# Altium PCB edison_gateway_v3.PcbDoc (part 1 of 3)
Units mil, origin at the board's own origin, x right, y up, seen from the top; angles counter-clockwise.
Board outline 3917.32 x 3149.61 mil, 6 copper layers (Top Layer, GND, Signal Layer 1, VCC, GND (Mid4), Bottom Layer), stack 48.468 mil thick; 252 components, 213 nets, 1042 pads, 505 vias.
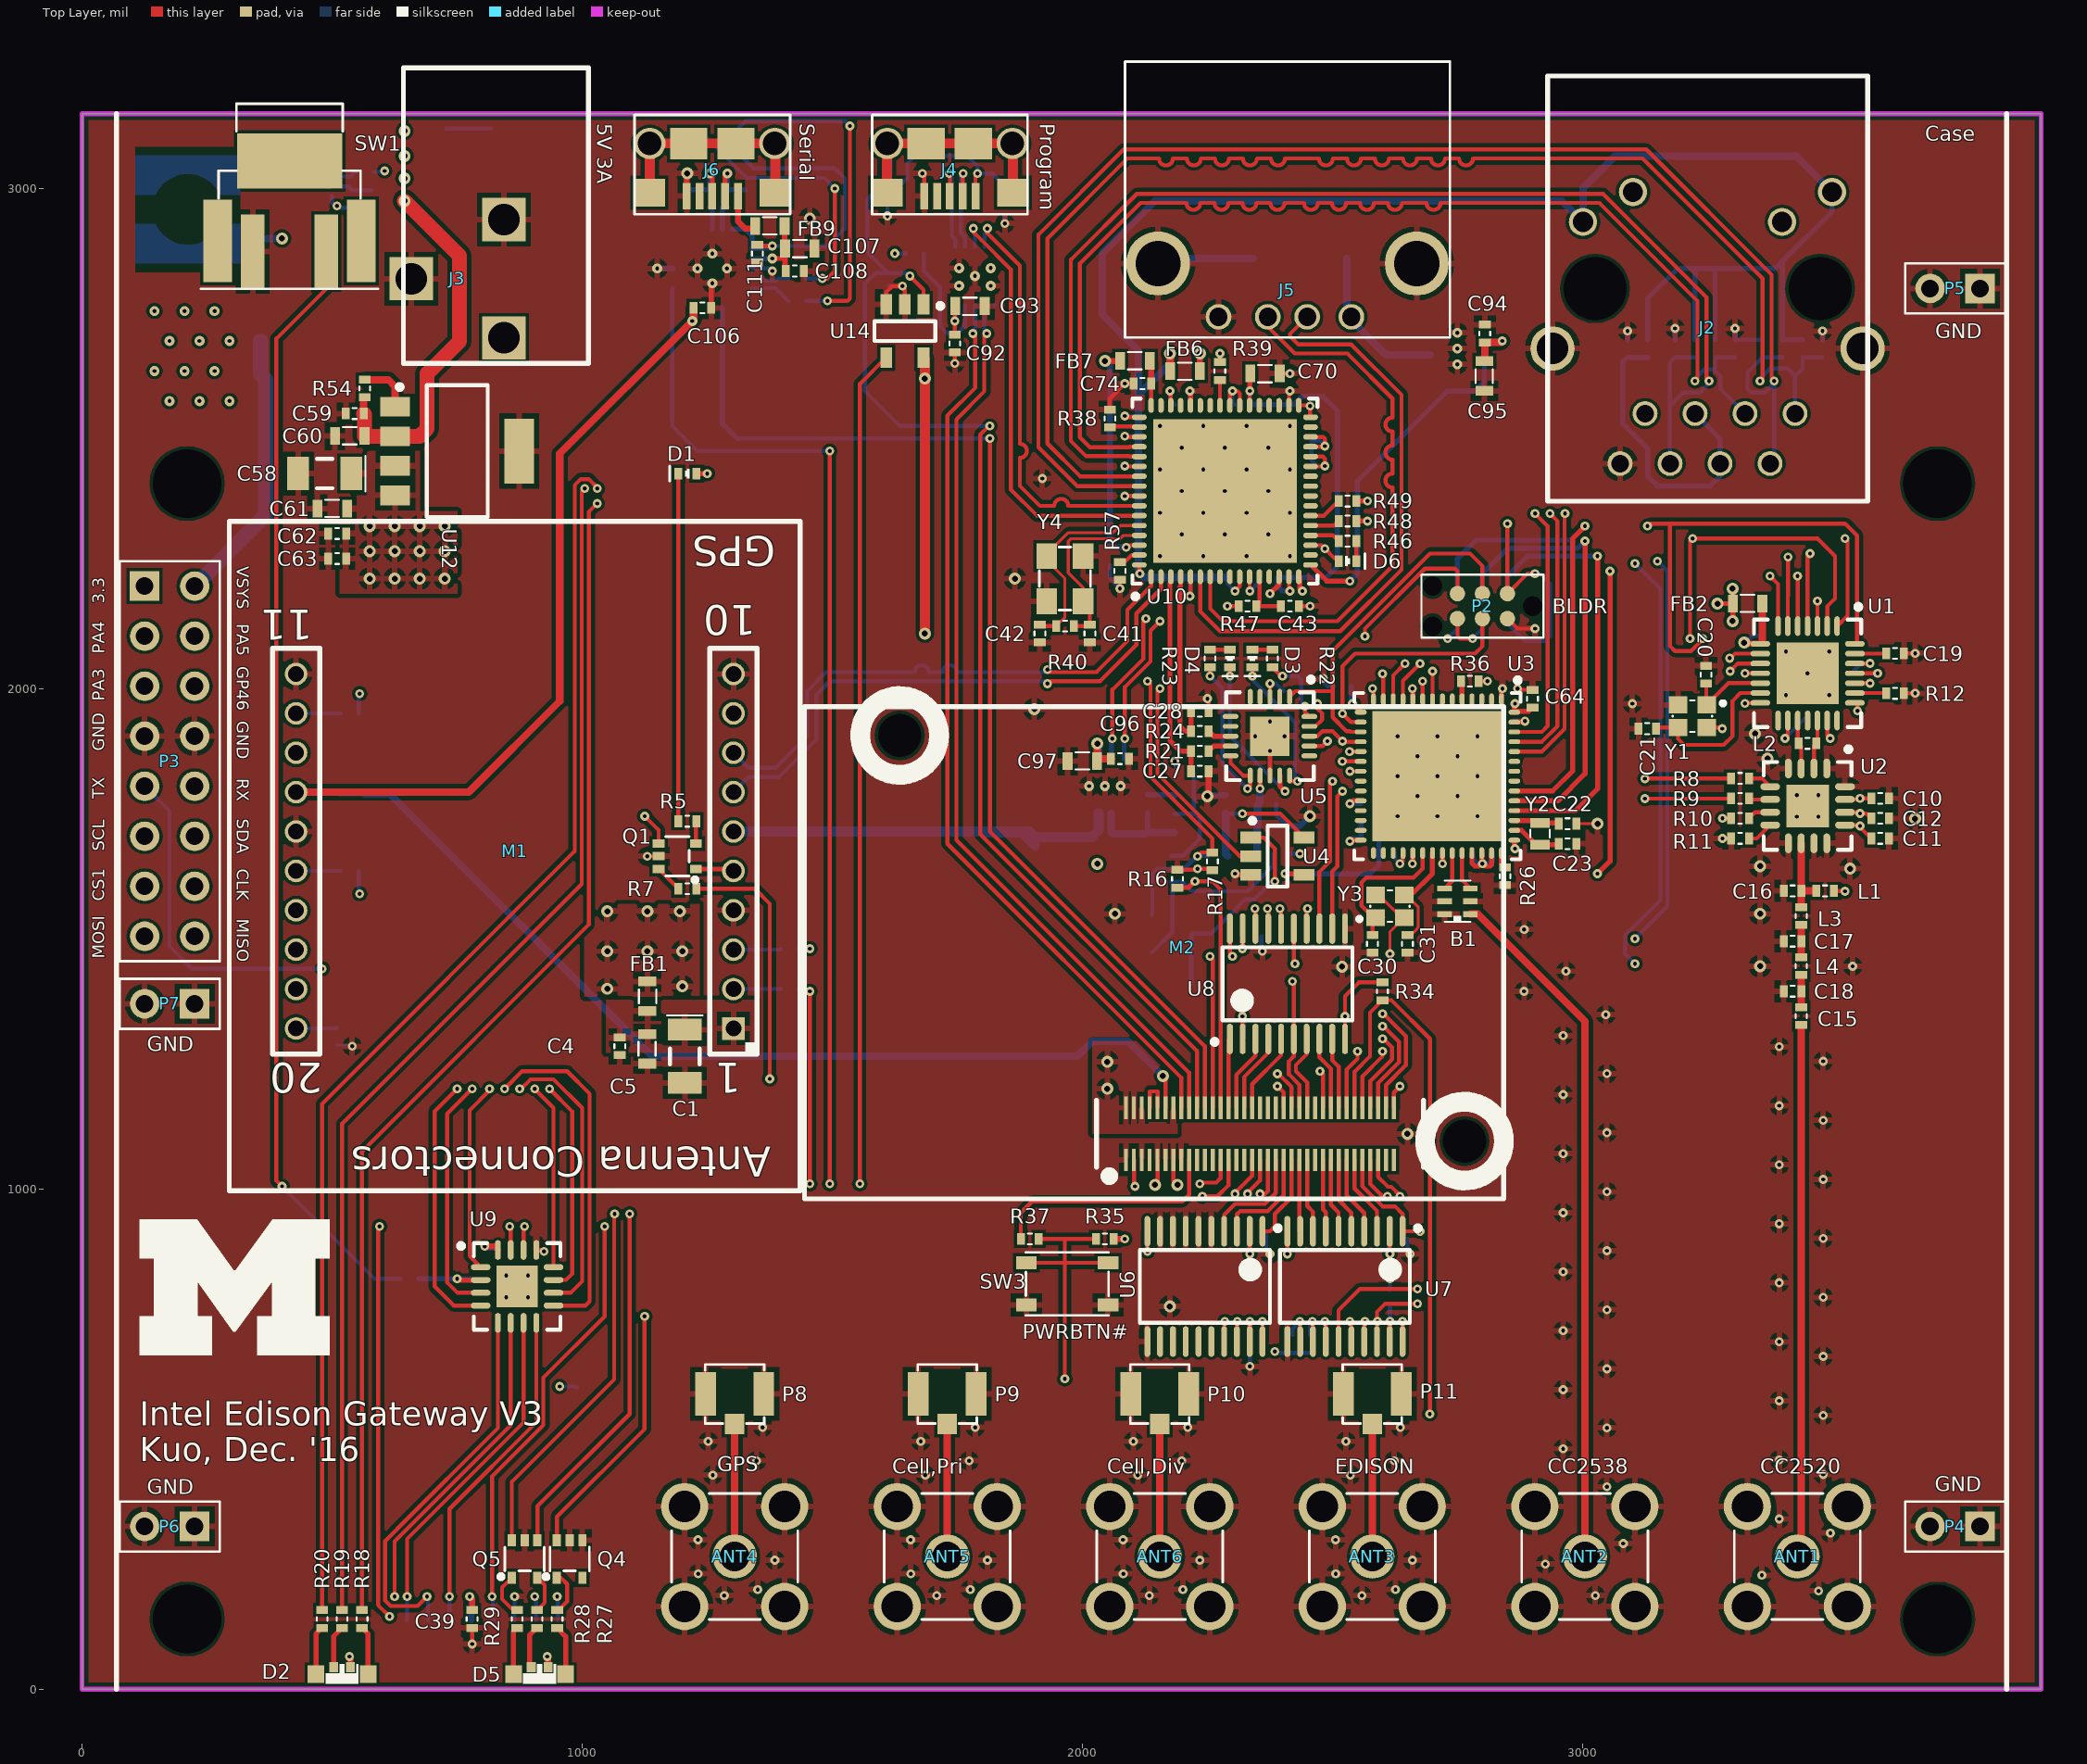
[diagram p0: Top Layer view]
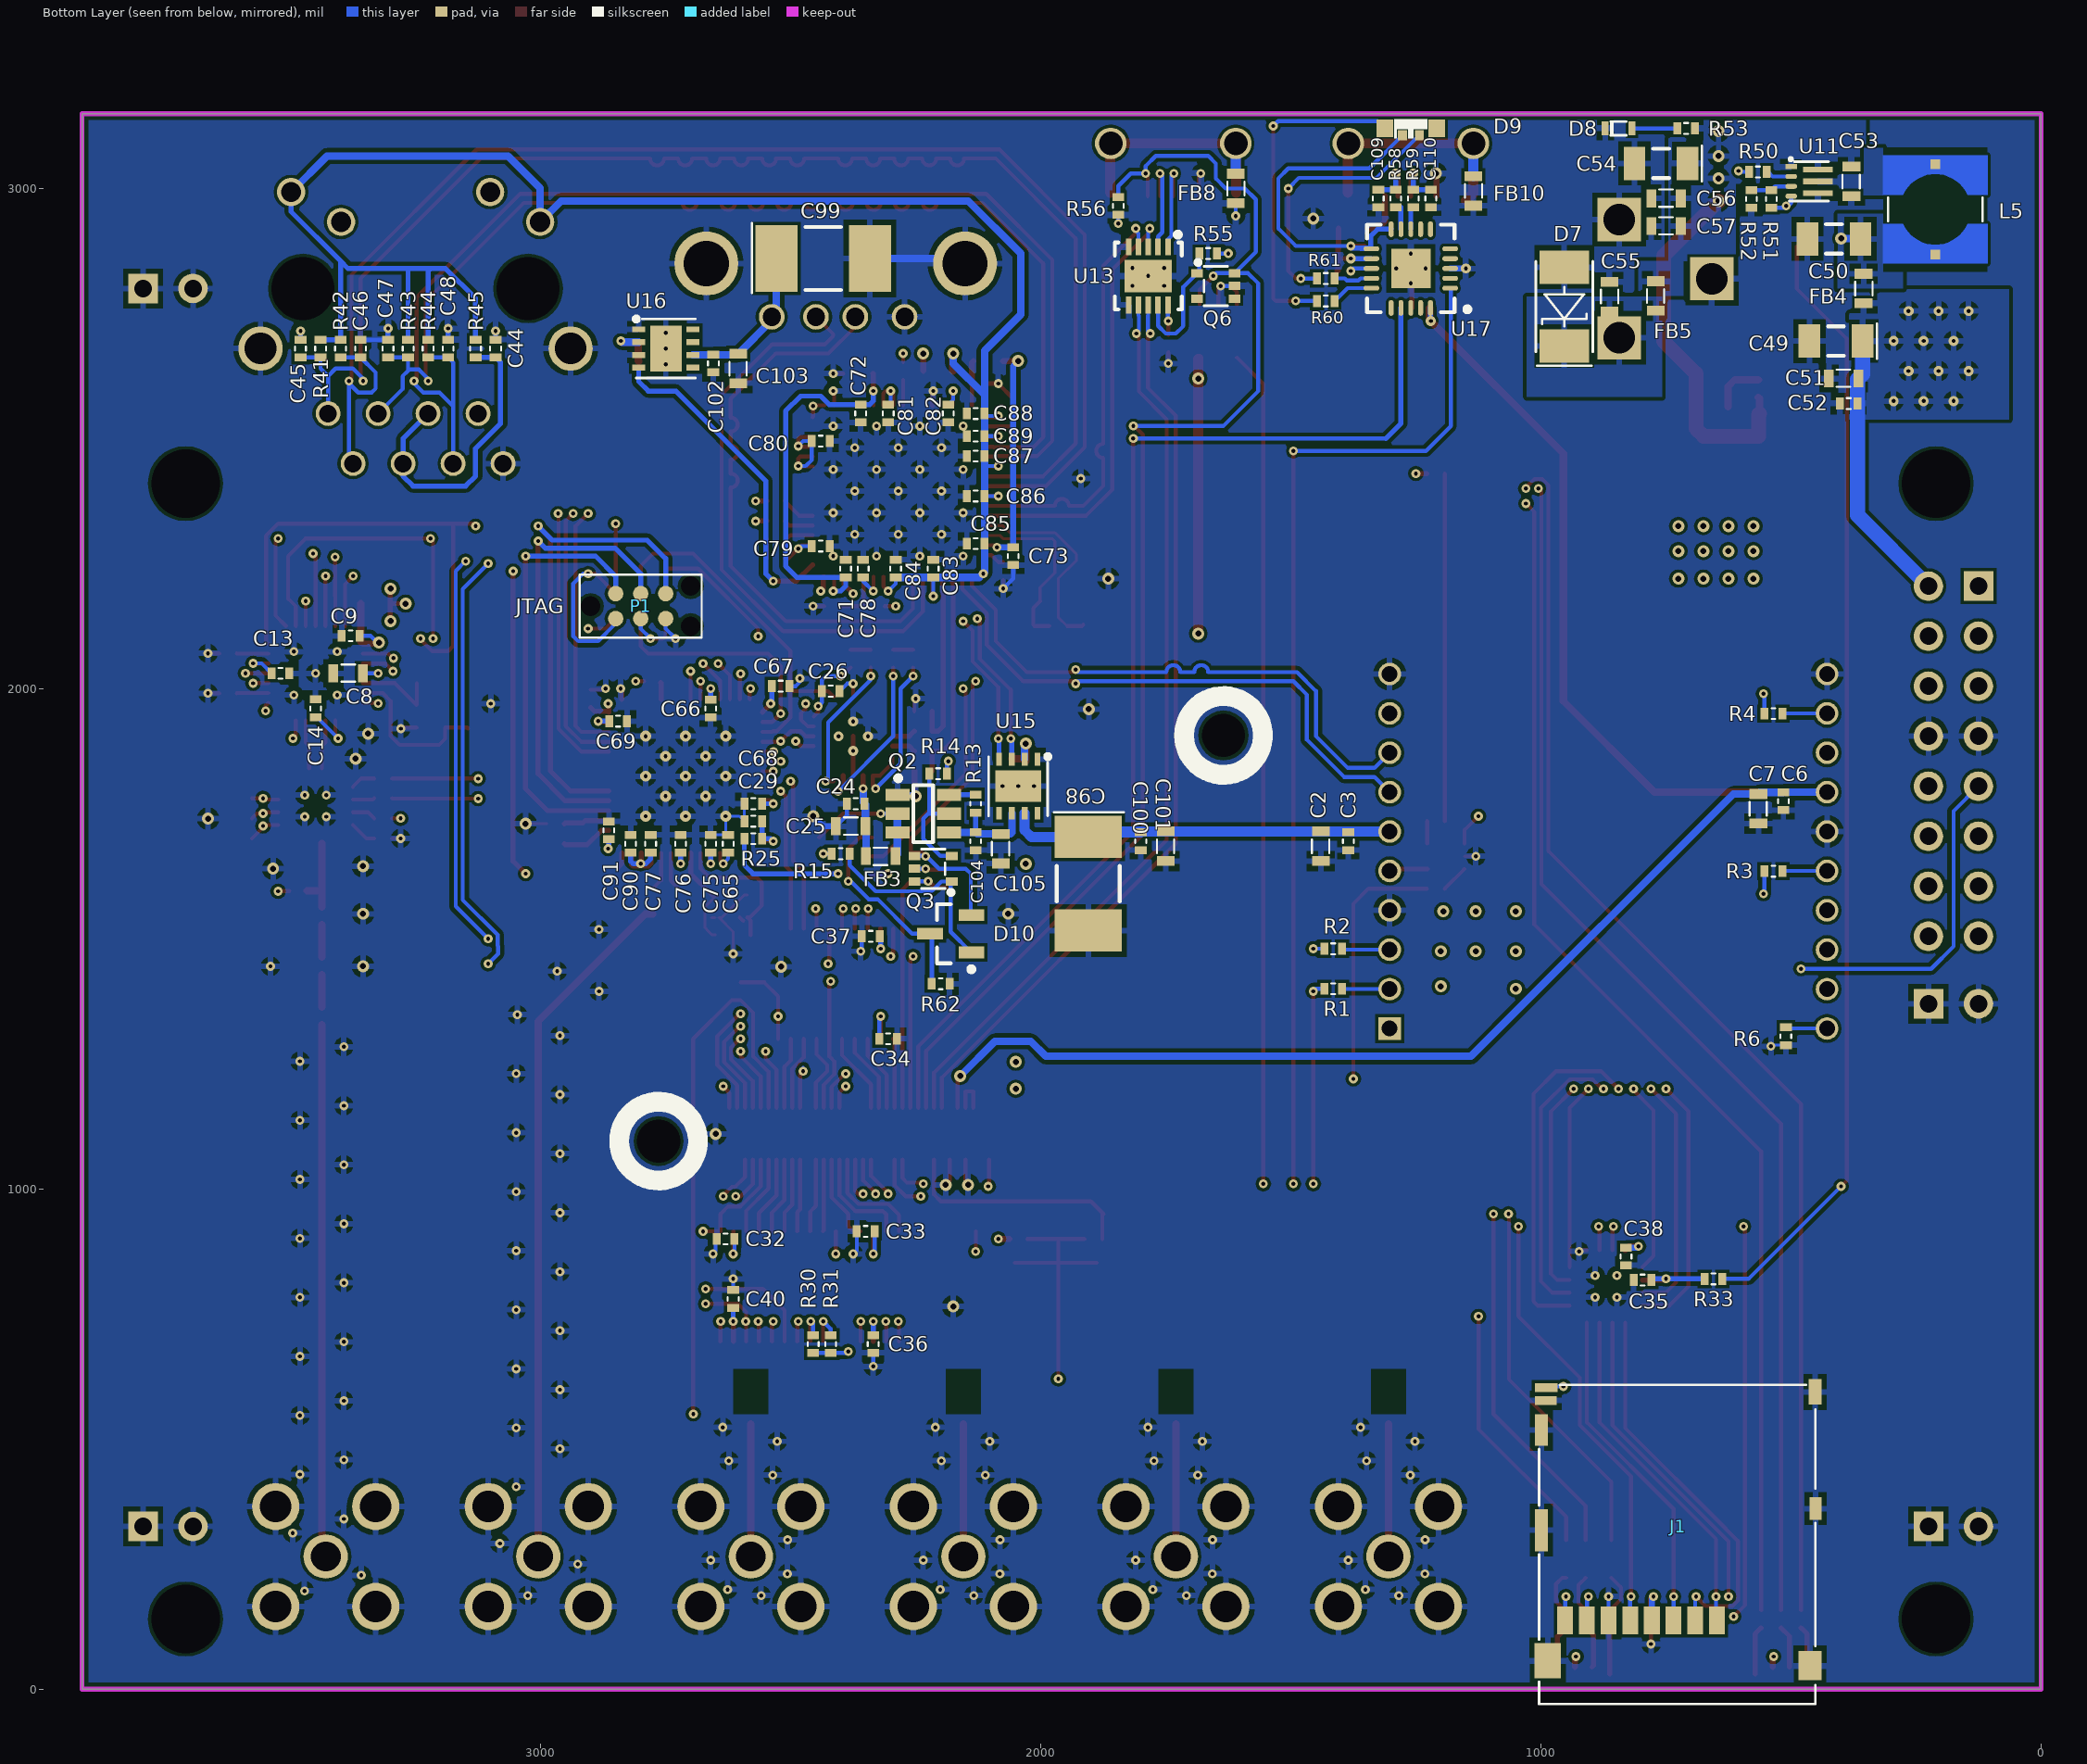
[diagram p1: Bottom Layer view, seen from below]
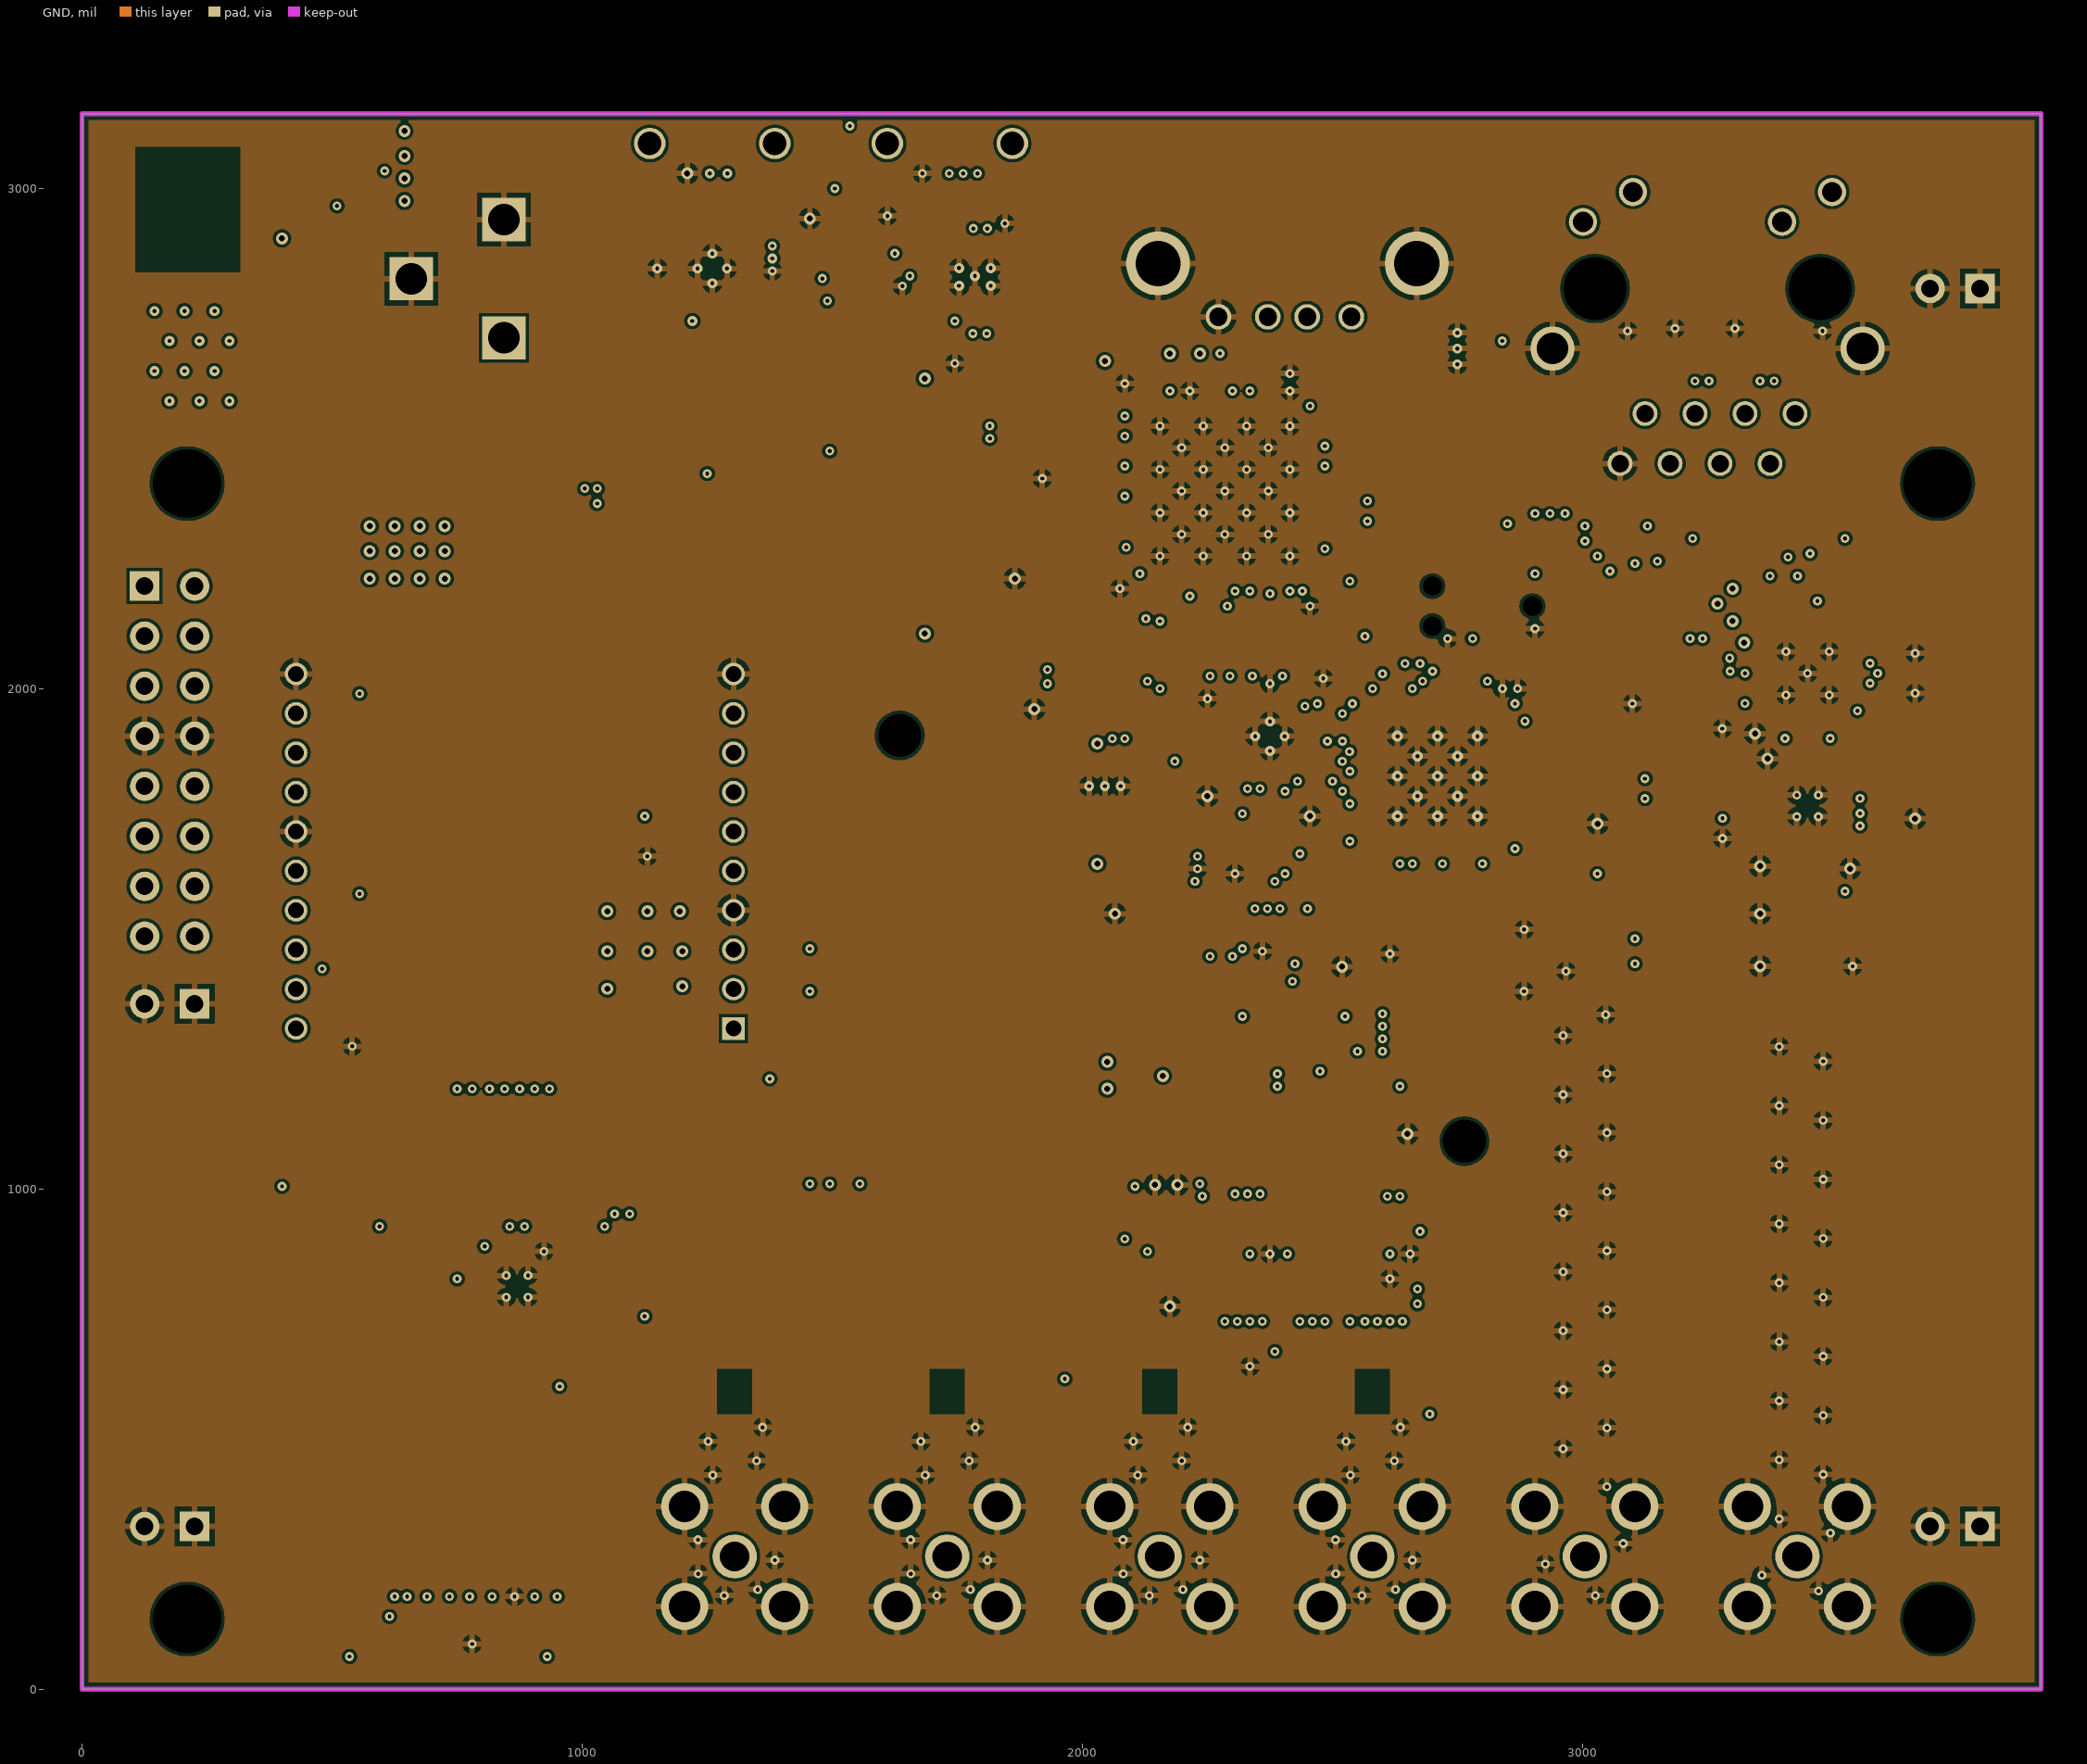
[diagram p2: GND]